# EAGLE board AU_MacroPad - 8 Panel (EAGLE 9.6.2), part 2 of 5 (continued)
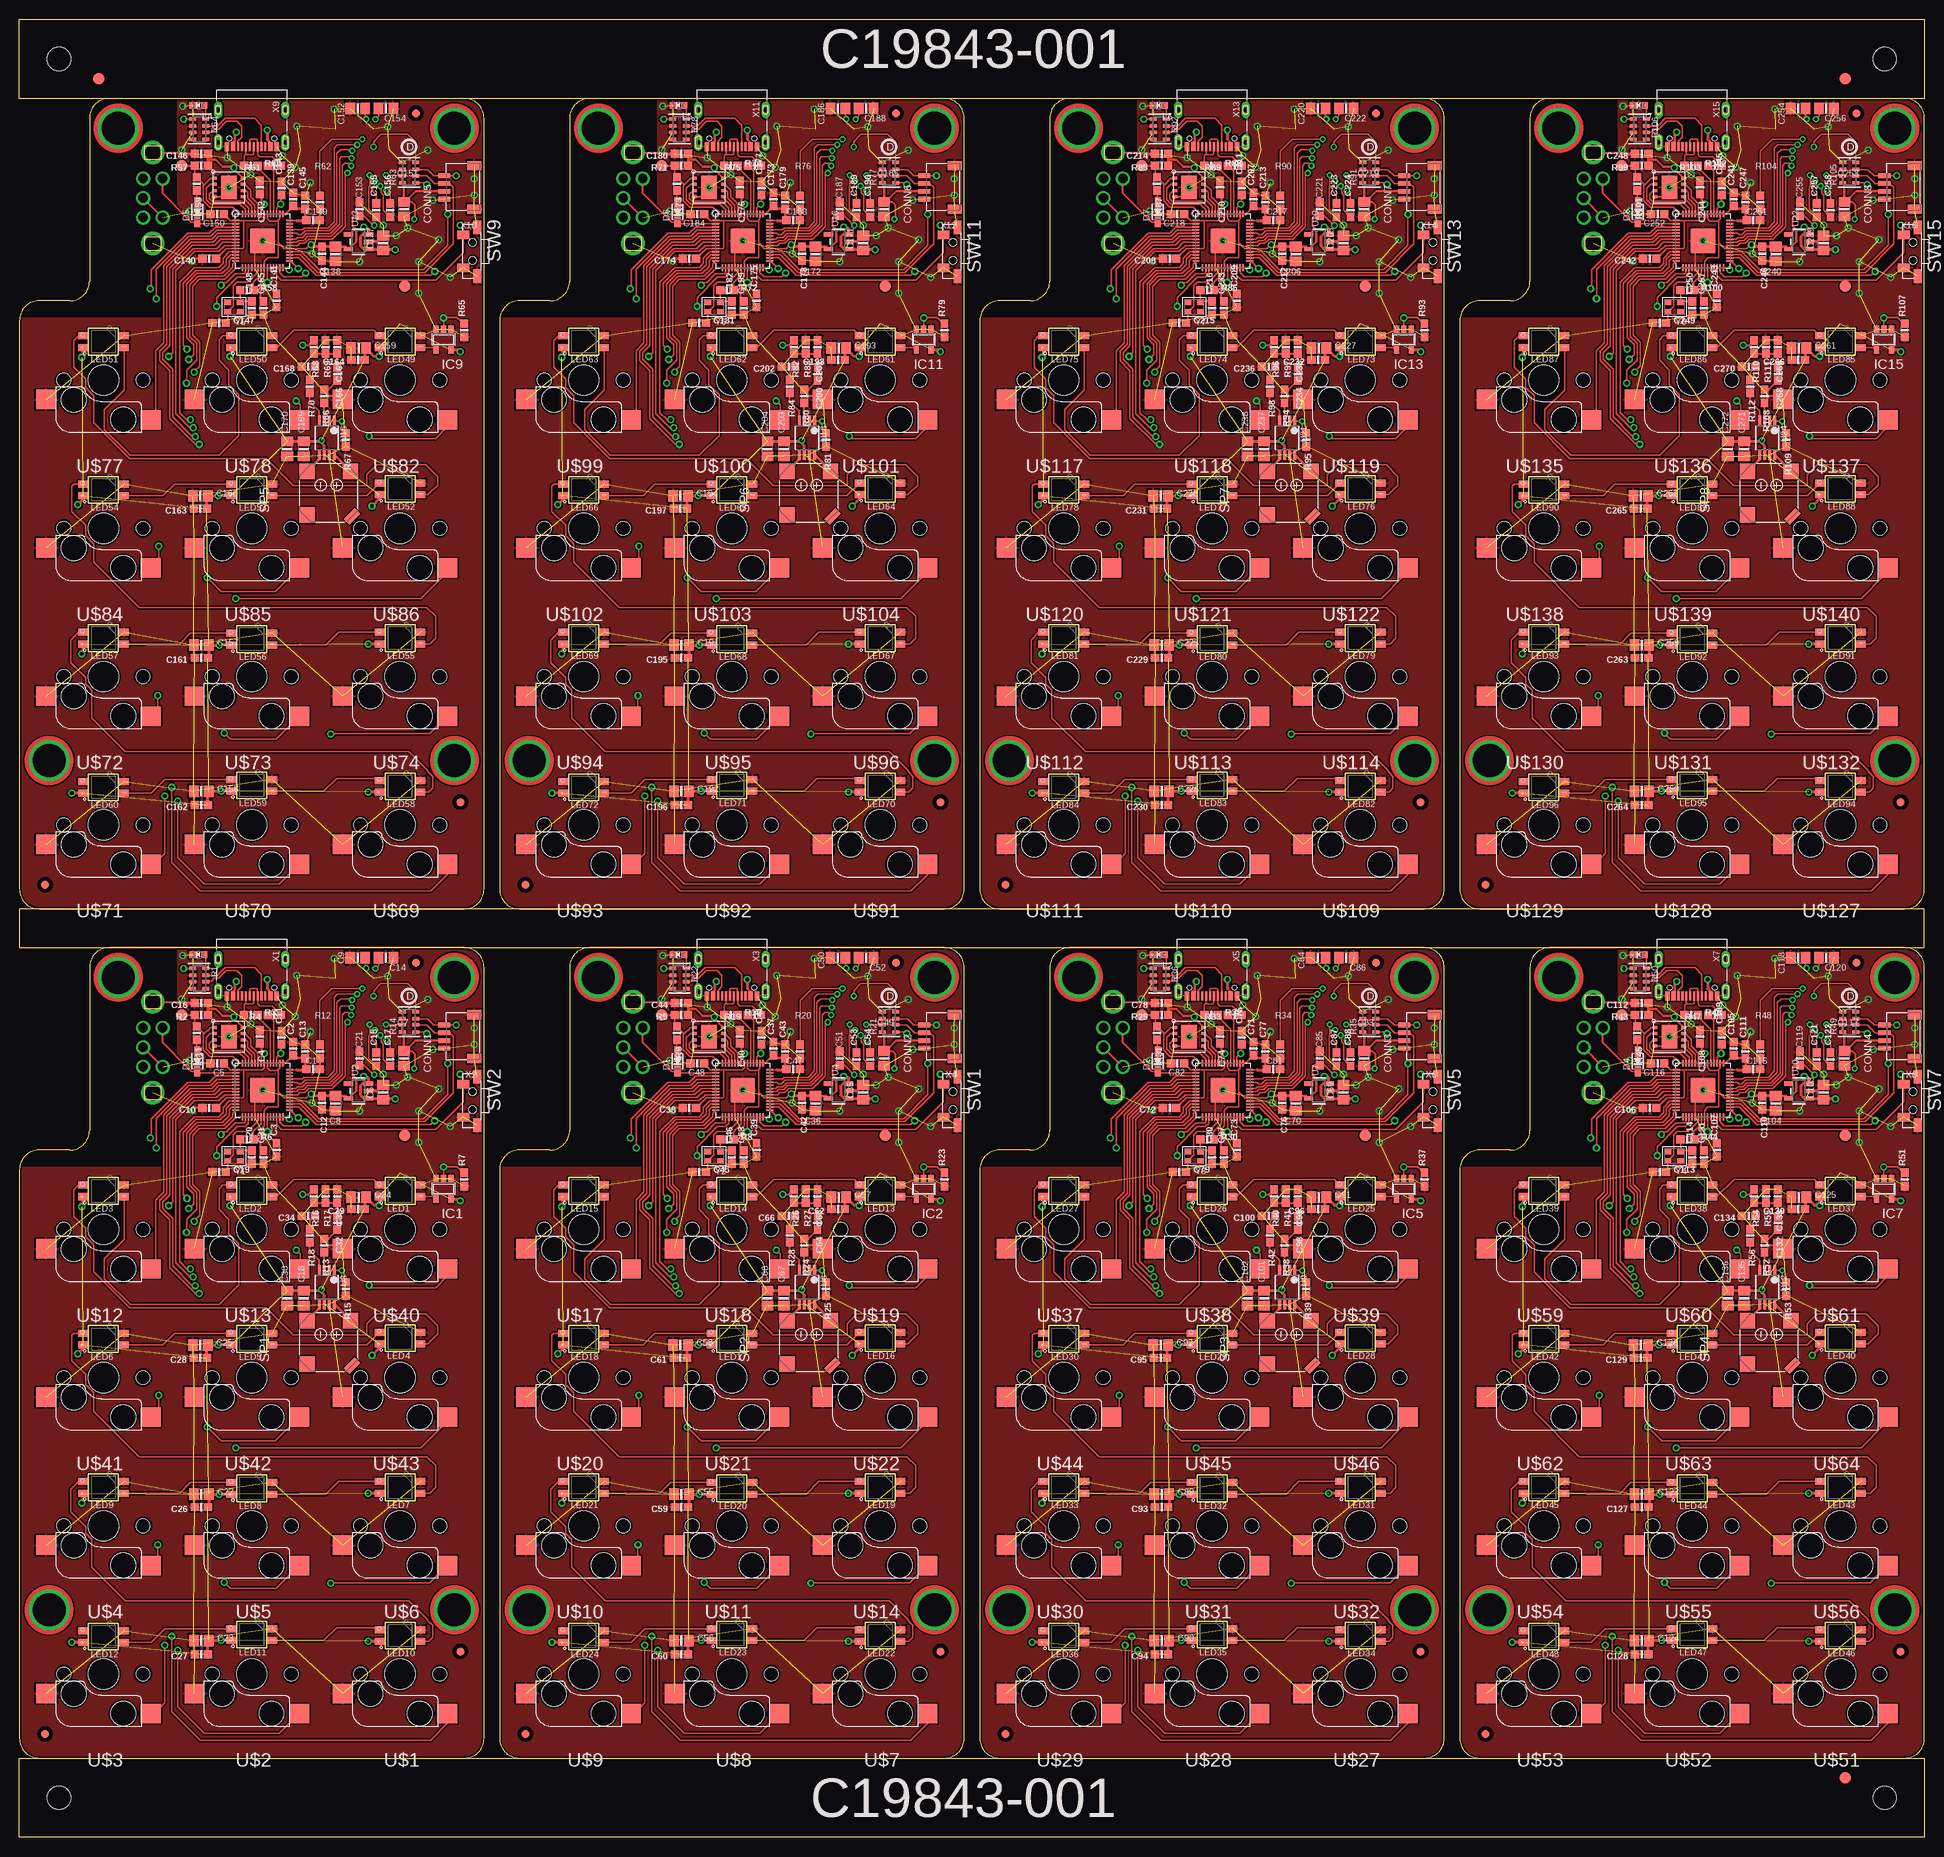
[diagram p0: board, top side]
## Tracks (layer width: path | path; a pad name or v marks a point on that pad's centre or on a via)
1.2V  (via drill 0.5)
  Top 0.203: IC3.50 31.04,101.84 C4.2 31.11,101.77 31.11,100.71 v31.47,100.71 | IC3.45 33.04,100.22 33.53,100.71 v33.55,100.71 33.55,101.15 33.66,101.26 C11.1 | C3.2 31.84,90.36 IC3.23 31.84,90.67 v31.81,90.67
  Bottom 0.203: v31.81,90.67 31.81,91.68 33.55,93.42 v33.55,100.71 v31.47,100.71
1.2V1  (via drill 0.5)
  Top 0.203: IC4.50 92.73,101.84 C40.2 92.8,101.77 92.8,100.71 v93.16,100.71 | IC4.45 94.73,100.22 95.22,100.71 v95.24,100.71 95.24,101.15 95.34,101.26 C41.1 | C39.2 93.53,90.36 IC4.23 93.53,90.67 v93.5,90.67
  Bottom 0.203: v93.5,90.67 93.5,91.68 95.24,93.42 v95.24,100.71 v93.16,100.71
1.2V2  (via drill 0.5)
  Top 0.203: IC6.50 154.42,101.84 C74.2 154.5,101.77 154.5,100.71 v154.85,100.71 | IC6.45 156.42,100.22 156.91,100.71 v156.93,100.71 156.93,101.15 157.04,101.26 C75.1 | C73.2 155.22,90.36 IC6.23 155.22,90.67 v155.19,90.67
  Bottom 0.203: v155.19,90.67 155.19,91.68 156.93,93.42 v156.93,100.71 v154.85,100.71
1.2V3  (via drill 0.5)
  Top 0.203: IC8.50 216.11,101.84 C108.2 216.18,101.77 216.18,100.71 v216.54,100.71 | IC8.45 218.11,100.22 218.6,100.71 v218.62,100.71 218.62,101.15 218.72,101.26 C109.1 | C107.2 216.91,90.36 IC8.23 216.91,90.67 v216.88,90.67
  Bottom 0.203: v216.88,90.67 216.88,91.68 218.62,93.42 v218.62,100.71 v216.54,100.71
1.2V4  (via drill 0.5)
  Top 0.203: IC10.50 31.04,210.98 C142.2 31.11,210.91 31.11,209.85 v31.47,209.85 | IC10.45 33.04,209.37 33.53,209.85 v33.55,209.85 33.55,210.29 33.66,210.4 C143.1 | C141.2 31.84,199.5 IC10.23 31.84,199.81 v31.81,199.81
  Bottom 0.203: v31.81,199.81 31.81,200.82 33.55,202.56 v33.55,209.85 v31.47,209.85
1.2V5  (via drill 0.5)
  Top 0.203: IC12.50 92.73,210.98 C176.2 92.8,210.91 92.8,209.85 v93.16,209.85 | IC12.45 94.73,209.37 95.22,209.85 v95.24,209.85 95.24,210.29 95.34,210.4 C177.1 | C175.2 93.53,199.5 IC12.23 93.53,199.81 v93.5,199.81
  Bottom 0.203: v93.5,199.81 93.5,200.82 95.24,202.56 v95.24,209.85 v93.16,209.85
1.2V6  (via drill 0.5)
  Top 0.203: IC14.50 154.42,210.98 C210.2 154.5,210.91 154.5,209.85 v154.85,209.85 | IC14.45 156.42,209.37 156.91,209.85 v156.93,209.85 156.93,210.29 157.04,210.4 C211.1 | C209.2 155.22,199.5 IC14.23 155.22,199.81 v155.19,199.81
  Bottom 0.203: v155.19,199.81 155.19,200.82 156.93,202.56 v156.93,209.85 v154.85,209.85
1.2V7  (via drill 0.5)
  Top 0.203: IC16.50 216.11,210.98 C244.2 216.18,210.91 216.18,209.85 v216.54,209.85 | IC16.45 218.11,209.37 218.6,209.85 v218.62,209.85 218.62,210.29 218.72,210.4 C245.1 | C243.2 216.91,199.5 IC16.23 216.91,199.81 v216.88,199.81
  Bottom 0.203: v216.88,199.81 216.88,200.82 218.62,202.56 v218.62,209.85 v216.54,209.85
3.3V  (via drill 0.39, 0.5)
  Top 0.203: IC3.49 31.5,99.46 | 31.5,99.46 IC3.48 31.84,98.84 32.13,98.55 33.15,98.55 33.27,98.68 | IC3.43 33.84,99.57 33.55,99.57 IC3.44 33.44,98.85 33.27,98.68 | C5.1 27.08,98.61 IC3.1 28.83,98.61 | 28.83,98.61 31.18,98.61 31.5,98.93 31.5,99.46 | 33.27,95.76 33.27,98.68 | 33.27,95.76 34.02,95.01 IC3.33 36.85,95.01 37.34,95.5 | C10.1 25.27,93.73 26.56,95.01 IC3.10 28.72,95.01 28.83,95.12 28.83,98.61 | IC3.42 35.62,98.61 | 33.27,95.76 33.27,93.85 31.88,93.85 31.44,93.42 IC3.22 31.44,91.42 30.93,90.91
  Top 0.254: C31.2 30.93,88.66 30.93,90.91 | C7.2 50.43,101.03 50.82,100.64 50.82,98.86 v50.73,98.77 | v45.58,97.98 45.3,98.26 45.22,98.26 44.25,99.23 C21.2 42.98,99.23 42.8,99.04 42.8,97.92 | v47.1,104.44 49.12,104.44 R14.7
  Top 0.305: CONN1.2 50.94,102.37 49.59,101.03 | C16.1 R2.1 24.22,106.17 24.47,106.43 25.23,106.43 26.12,105.54 27.29,105.54 27.56,105.27 | IC3.43 34.15,99.46 C2.1 35.56,100.11 C13.1 36.7,98.68 C1.1 | C8.1 41.95,95.25 U2.5 43.24,95.92 43.24,97.47 42.8,97.92 | C7.2 49.4,103.26 R14.8 R14.7 R14.6 | v37.47,95.5 37.34,95.5 | U1.8 27.56,105.27 | 27.56,105.27 v27.56,105.41
  Top 0.406: 49.59,101.03 C7.2 | C8.1 38.82,95.25 | 35.62,98.61 36.8,98.61 C1.1 | C12.1 38.82,95.25 | 38.82,95.25 37.72,95.25 v37.47,95.5
  Bottom 0.254: X2.5 40.05,109.29 40.16,109.18 40.59,109.18 | 40.59,109.18 40.84,109.18 41.05,109.38 X2.7 | v50.73,98.77 47.08,98.77 47.05,98.8 46.39,98.8 v45.58,97.98 | v47.1,104.44 46.34,105.2 44.31,105.2 43.04,103.93 41.09,103.93 40.59,104.44 40.59,109.18
  Bottom 0.305: v27.56,105.41 27.69,105.41 27.81,105.54 30.86,105.54 35.5,100.9 36.99,100.9 37.34,100.55 37.34,95.63 v37.47,95.5
3.3V1  (via drill 0.39, 0.5)
  Top 0.203: IC4.49 93.19,99.46 | 93.19,99.46 IC4.48 93.53,98.84 93.82,98.55 94.84,98.55 94.96,98.68 | IC4.43 95.53,99.57 95.24,99.57 IC4.44 95.13,98.85 94.96,98.68 | C48.1 88.77,98.61 IC4.1 90.52,98.61 | 90.52,98.61 92.86,98.61 93.19,98.93 93.19,99.46 | 94.96,95.76 94.96,98.68 | 94.96,95.76 95.71,95.01 IC4.33 98.53,95.01 99.03,95.5 | C38.1 86.96,93.73 88.25,95.01 IC4.10 90.41,95.01 90.52,95.12 90.52,98.61 | IC4.42 97.31,98.61 | 94.96,95.76 94.96,93.85 93.57,93.85 93.13,93.42 IC4.22 93.13,91.42 92.62,90.91
  Top 0.254: C63.2 92.62,88.66 92.62,90.91 | C49.2 112.12,101.03 112.51,100.64 112.51,98.86 v112.42,98.77 | v107.27,97.98 106.99,98.26 106.91,98.26 105.94,99.23 C51.2 104.67,99.23 104.49,99.04 104.49,97.92 | v108.79,104.44 110.81,104.44 R21.7
  Top 0.305: CONN2.2 112.62,102.37 111.28,101.03 | C44.1 R5.1 85.91,106.17 86.16,106.43 86.92,106.43 87.81,105.54 88.98,105.54 89.25,105.27 | IC4.43 95.83,99.46 C37.1 97.25,100.11 C43.1 98.39,98.68 C47.1 | C36.1 103.63,95.25 U4.5 104.93,95.92 104.93,97.47 104.49,97.92 | C49.2 111.09,103.26 R21.8 R21.7 R21.6 | v99.15,95.5 99.03,95.5 | U5.8 89.25,105.27 | 89.25,105.27 v89.25,105.41
  Top 0.406: 111.28,101.03 C49.2 | C36.1 100.51,95.25 | 97.31,98.61 98.49,98.61 C47.1 | C42.1 100.51,95.25 | 100.51,95.25 99.41,95.25 v99.15,95.5
  Bottom 0.254: X4.5 101.74,109.29 101.85,109.18 102.28,109.18 | 102.28,109.18 102.53,109.18 102.74,109.38 X4.7 | v112.42,98.77 108.77,98.77 108.74,98.8 108.08,98.8 v107.27,97.98 | v108.79,104.44 108.03,105.2 106,105.2 104.73,103.93 102.78,103.93 102.28,104.44 102.28,109.18
  Bottom 0.305: v89.25,105.41 89.38,105.41 89.5,105.54 92.55,105.54 97.19,100.9 98.68,100.9 99.03,100.55 99.03,95.63 v99.15,95.5
3.3V2  (via drill 0.39, 0.5)
  Top 0.203: IC6.49 154.88,99.46 | 154.88,99.46 IC6.48 155.22,98.84 155.51,98.55 156.53,98.55 156.66,98.68 | IC6.43 157.22,99.57 156.93,99.57 IC6.44 156.82,98.85 156.66,98.68 | C82.1 150.46,98.61 IC6.1 152.21,98.61 | 152.21,98.61 154.56,98.61 154.88,98.93 154.88,99.46 | 156.66,95.76 156.66,98.68 | 156.66,95.76 157.4,95.01 IC6.33 160.23,95.01 160.72,95.5 | C72.1 148.65,93.73 149.94,95.01 IC6.10 152.1,95.01 152.21,95.12 152.21,98.61 | IC6.42 159,98.61 | 156.66,95.76 156.66,93.85 155.26,93.85 154.82,93.42 IC6.22 154.82,91.42 154.31,90.91
  Top 0.254: C97.2 154.31,88.66 154.31,90.91 | C83.2 173.81,101.03 174.2,100.64 174.2,98.86 v174.11,98.77 | v168.96,97.98 168.68,98.26 168.6,98.26 167.63,99.23 C85.2 166.36,99.23 166.18,99.04 166.18,97.92 | v170.48,104.44 172.5,104.44 R35.7
  Top 0.305: CONN3.2 174.31,102.37 172.97,101.03 | C78.1 R29.1 147.6,106.17 147.85,106.43 148.61,106.43 149.5,105.54 150.68,105.54 150.94,105.27 | IC6.43 157.53,99.46 C71.1 158.94,100.11 C77.1 160.08,98.68 C81.1 | C70.1 165.32,95.25 U7.5 166.62,95.92 166.62,97.47 166.18,97.92 | C83.2 172.78,103.26 R35.8 R35.7 R35.6 | v160.84,95.5 160.72,95.5 | U8.8 150.94,105.27 | 150.94,105.27 v150.94,105.41
  Top 0.406: 172.97,101.03 C83.2 | C70.1 162.2,95.25 | 159,98.61 160.18,98.61 C81.1 | C76.1 162.2,95.25 | 162.2,95.25 161.1,95.25 v160.84,95.5
  Bottom 0.254: X6.5 163.43,109.29 163.54,109.18 163.97,109.18 | 163.97,109.18 164.22,109.18 164.43,109.38 X6.7 | v174.11,98.77 170.46,98.77 170.43,98.8 169.78,98.8 v168.96,97.98 | v170.48,104.44 169.72,105.2 167.69,105.2 166.42,103.93 164.47,103.93 163.97,104.44 163.97,109.18
  Bottom 0.305: v150.94,105.41 151.07,105.41 151.19,105.54 154.24,105.54 158.88,100.9 160.37,100.9 160.72,100.55 160.72,95.63 v160.84,95.5
3.3V3  (via drill 0.39, 0.5)
  Top 0.203: IC8.49 216.56,99.46 | 216.56,99.46 IC8.48 216.91,98.84 217.2,98.55 218.22,98.55 218.34,98.68 | IC8.43 218.91,99.57 218.62,99.57 IC8.44 218.51,98.85 218.34,98.68 | C116.1 212.15,98.61 IC8.1 213.9,98.61 | 213.9,98.61 216.24,98.61 216.56,98.93 216.56,99.46 | 218.34,95.76 218.34,98.68 | 218.34,95.76 219.09,95.01 IC8.33 221.91,95.01 222.41,95.5 | C106.1 210.34,93.73 211.63,95.01 IC8.10 213.79,95.01 213.9,95.12 213.9,98.61 | IC8.42 220.69,98.61 | 218.34,95.76 218.34,93.85 216.95,93.85 216.51,93.42 IC8.22 216.51,91.42 216,90.91
  Top 0.254: C131.2 216,88.66 216,90.91 | C117.2 235.5,101.03 235.89,100.64 235.89,98.86 v235.8,98.77 | v230.65,97.98 230.37,98.26 230.29,98.26 229.32,99.23 C119.2 228.05,99.23 227.87,99.04 227.87,97.92 | v232.17,104.44 234.19,104.44 R49.7
  Top 0.305: CONN4.2 236,102.37 234.66,101.03 | C112.1 R43.1 209.29,106.17 209.54,106.43 210.3,106.43 211.19,105.54 212.36,105.54 212.63,105.27 | IC8.43 219.21,99.46 C105.1 220.63,100.11 C111.1 221.77,98.68 C115.1 | C104.1 227.01,95.25 U10.5 228.31,95.92 228.31,97.47 227.87,97.92 | C117.2 234.47,103.26 R49.8 R49.7 R49.6 | v222.53,95.5 222.41,95.5 | U11.8 212.63,105.27 | 212.63,105.27 v212.63,105.41
  Top 0.406: 234.66,101.03 C117.2 | C104.1 223.89,95.25 | 220.69,98.61 221.87,98.61 C115.1 | C110.1 223.89,95.25 | 223.89,95.25 222.79,95.25 v222.53,95.5
  Bottom 0.254: X8.5 225.12,109.29 225.23,109.18 225.66,109.18 | 225.66,109.18 225.91,109.18 226.12,109.38 X8.7 | v235.8,98.77 232.15,98.77 232.12,98.8 231.46,98.8 v230.65,97.98 | v232.17,104.44 231.41,105.2 229.38,105.2 228.11,103.93 226.16,103.93 225.66,104.44 225.66,109.18
  Bottom 0.305: v212.63,105.41 212.75,105.41 212.88,105.54 215.93,105.54 220.57,100.9 222.06,100.9 222.41,100.55 222.41,95.63 v222.53,95.5
3.3V4  (via drill 0.39, 0.5)
  Top 0.203: IC10.49 31.5,208.6 | 31.5,208.6 IC10.48 31.84,207.98 32.13,207.69 33.15,207.69 33.27,207.82 | IC10.43 33.84,208.71 33.55,208.71 IC10.44 33.44,207.99 33.27,207.82 | C150.1 27.08,207.75 IC10.1 28.83,207.75 | 28.83,207.75 31.18,207.75 31.5,208.07 31.5,208.6 | 33.27,204.9 33.27,207.82 | 33.27,204.9 34.02,204.15 IC10.33 36.85,204.15 37.34,204.65 | C140.1 25.27,202.87 26.56,204.15 IC10.10 28.72,204.15 28.83,204.26 28.83,207.75 | IC10.42 35.62,207.75 | 33.27,204.9 33.27,202.99 31.88,202.99 31.44,202.56 IC10.22 31.44,200.56 30.93,200.05
  Top 0.254: C165.2 30.93,197.8 30.93,200.05 | C151.2 50.43,210.17 50.82,209.78 50.82,208 v50.73,207.92 | v45.58,207.12 45.3,207.4 45.22,207.4 44.25,208.37 C153.2 42.98,208.37 42.8,208.18 42.8,207.06 | v47.1,213.58 49.12,213.58 R63.7
  Top 0.305: CONN5.2 50.94,211.51 49.59,210.17 | C146.1 R57.1 24.22,215.31 24.47,215.57 25.23,215.57 26.12,214.68 27.29,214.68 27.56,214.41 | IC10.43 34.15,208.6 C139.1 35.56,209.26 C145.1 36.7,207.82 C149.1 | C138.1 41.95,204.39 U13.5 43.24,205.06 43.24,206.61 42.8,207.06 | C151.2 49.4,212.4 R63.8 R63.7 R63.6 | v37.47,204.65 37.34,204.65 | U14.8 27.56,214.41 | 27.56,214.41 v27.56,214.55
  Top 0.406: 49.59,210.17 C151.2 | C138.1 38.82,204.39 | 35.62,207.75 36.8,207.75 C149.1 | C144.1 38.82,204.39 | 38.82,204.39 37.72,204.39 v37.47,204.65
  Bottom 0.254: X10.5 40.05,218.43 40.16,218.32 40.59,218.32 | 40.59,218.32 40.84,218.32 41.05,218.53 X10.7 | v50.73,207.92 47.08,207.92 47.05,207.94 46.39,207.94 v45.58,207.12 | v47.1,213.58 46.34,214.34 44.31,214.34 43.04,213.07 41.09,213.07 40.59,213.58 40.59,218.32
  Bottom 0.305: v27.56,214.55 27.69,214.55 27.81,214.68 30.86,214.68 35.5,210.04 36.99,210.04 37.34,209.69 37.34,204.77 v37.47,204.65
3.3V5  (via drill 0.39, 0.5)
  Top 0.203: IC12.49 93.19,208.6 | 93.19,208.6 IC12.48 93.53,207.98 93.82,207.69 94.84,207.69 94.96,207.82 | IC12.43 95.53,208.71 95.24,208.71 IC12.44 95.13,207.99 94.96,207.82 | C184.1 88.77,207.75 IC12.1 90.52,207.75 | 90.52,207.75 92.86,207.75 93.19,208.07 93.19,208.6 | 94.96,204.9 94.96,207.82 | 94.96,204.9 95.71,204.15 IC12.33 98.53,204.15 99.03,204.65 | C174.1 86.96,202.87 88.25,204.15 IC12.10 90.41,204.15 90.52,204.26 90.52,207.75 | IC12.42 97.31,207.75 | 94.96,204.9 94.96,202.99 93.57,202.99 93.13,202.56 IC12.22 93.13,200.56 92.62,200.05
  Top 0.254: C199.2 92.62,197.8 92.62,200.05 | C185.2 112.12,210.17 112.51,209.78 112.51,208 v112.42,207.92 | v107.27,207.12 106.99,207.4 106.91,207.4 105.94,208.37 C187.2 104.67,208.37 104.49,208.18 104.49,207.06 | v108.79,213.58 110.81,213.58 R77.7
  Top 0.305: CONN6.2 112.62,211.51 111.28,210.17 | C180.1 R71.1 85.91,215.31 86.16,215.57 86.92,215.57 87.81,214.68 88.98,214.68 89.25,214.41 | IC12.43 95.83,208.6 C173.1 97.25,209.26 C179.1 98.39,207.82 C183.1 | C172.1 103.63,204.39 U16.5 104.93,205.06 104.93,206.61 104.49,207.06 | C185.2 111.09,212.4 R77.8 R77.7 R77.6 | v99.15,204.65 99.03,204.65 | U17.8 89.25,214.41 | 89.25,214.41 v89.25,214.55
  Top 0.406: 111.28,210.17 C185.2 | C172.1 100.51,204.39 | 97.31,207.75 98.49,207.75 C183.1 | C178.1 100.51,204.39 | 100.51,204.39 99.41,204.39 v99.15,204.65
  Bottom 0.254: X12.5 101.74,218.43 101.85,218.32 102.28,218.32 | 102.28,218.32 102.53,218.32 102.74,218.53 X12.7 | v112.42,207.92 108.77,207.92 108.74,207.94 108.08,207.94 v107.27,207.12 | v108.79,213.58 108.03,214.34 106,214.34 104.73,213.07 102.78,213.07 102.28,213.58 102.28,218.32
  Bottom 0.305: v89.25,214.55 89.38,214.55 89.5,214.68 92.55,214.68 97.19,210.04 98.68,210.04 99.03,209.69 99.03,204.77 v99.15,204.65
3.3V6  (via drill 0.39, 0.5)
  Top 0.203: IC14.49 154.88,208.6 | 154.88,208.6 IC14.48 155.22,207.98 155.51,207.69 156.53,207.69 156.66,207.82 | IC14.43 157.22,208.71 156.93,208.71 IC14.44 156.82,207.99 156.66,207.82 | C218.1 150.46,207.75 IC14.1 152.21,207.75 | 152.21,207.75 154.56,207.75 154.88,208.07 154.88,208.6 | 156.66,204.9 156.66,207.82 | 156.66,204.9 157.4,204.15 IC14.33 160.23,204.15 160.72,204.65 | C208.1 148.65,202.87 149.94,204.15 IC14.10 152.1,204.15 152.21,204.26 152.21,207.75 | IC14.42 159,207.75 | 156.66,204.9 156.66,202.99 155.26,202.99 154.82,202.56 IC14.22 154.82,200.56 154.31,200.05
  Top 0.254: C233.2 154.31,197.8 154.31,200.05 | C219.2 173.81,210.17 174.2,209.78 174.2,208 v174.11,207.92 | v168.96,207.12 168.68,207.4 168.6,207.4 167.63,208.37 C221.2 166.36,208.37 166.18,208.18 166.18,207.06 | v170.48,213.58 172.5,213.58 R91.7
  Top 0.305: CONN7.2 174.31,211.51 172.97,210.17 | C214.1 R85.1 147.6,215.31 147.85,215.57 148.61,215.57 149.5,214.68 150.68,214.68 150.94,214.41 | IC14.43 157.53,208.6 C207.1 158.94,209.26 C213.1 160.08,207.82 C217.1 | C206.1 165.32,204.39 U19.5 166.62,205.06 166.62,206.61 166.18,207.06 | C219.2 172.78,212.4 R91.8 R91.7 R91.6 | v160.84,204.65 160.72,204.65 | U20.8 150.94,214.41 | 150.94,214.41 v150.94,214.55
  Top 0.406: 172.97,210.17 C219.2 | C206.1 162.2,204.39 | 159,207.75 160.18,207.75 C217.1 | C212.1 162.2,204.39 | 162.2,204.39 161.1,204.39 v160.84,204.65
  Bottom 0.254: X14.5 163.43,218.43 163.54,218.32 163.97,218.32 | 163.97,218.32 164.22,218.32 164.43,218.53 X14.7 | v174.11,207.92 170.46,207.92 170.43,207.94 169.78,207.94 v168.96,207.12 | v170.48,213.58 169.72,214.34 167.69,214.34 166.42,213.07 164.47,213.07 163.97,213.58 163.97,218.32
  Bottom 0.305: v150.94,214.55 151.07,214.55 151.19,214.68 154.24,214.68 158.88,210.04 160.37,210.04 160.72,209.69 160.72,204.77 v160.84,204.65
3.3V7  (via drill 0.39, 0.5)
  Top 0.203: IC16.49 216.56,208.6 | 216.56,208.6 IC16.48 216.91,207.98 217.2,207.69 218.22,207.69 218.34,207.82 | IC16.43 218.91,208.71 218.62,208.71 IC16.44 218.51,207.99 218.34,207.82 | C252.1 212.15,207.75 IC16.1 213.9,207.75 | 213.9,207.75 216.24,207.75 216.56,208.07 216.56,208.6 | 218.34,204.9 218.34,207.82 | 218.34,204.9 219.09,204.15 IC16.33 221.91,204.15 222.41,204.65 | C242.1 210.34,202.87 211.63,204.15 IC16.10 213.79,204.15 213.9,204.26 213.9,207.75 | IC16.42 220.69,207.75 | 218.34,204.9 218.34,202.99 216.95,202.99 216.51,202.56 IC16.22 216.51,200.56 216,200.05
  Top 0.254: C267.2 216,197.8 216,200.05 | C253.2 235.5,210.17 235.89,209.78 235.89,208 v235.8,207.92 | v230.65,207.12 230.37,207.4 230.29,207.4 229.32,208.37 C255.2 228.05,208.37 227.87,208.18 227.87,207.06 | v232.17,213.58 234.19,213.58 R105.7
  Top 0.305: CONN8.2 236,211.51 234.66,210.17 | C248.1 R99.1 209.29,215.31 209.54,215.57 210.3,215.57 211.19,214.68 212.36,214.68 212.63,214.41 | IC16.43 219.21,208.6 C241.1 220.63,209.26 C247.1 221.77,207.82 C251.1 | C240.1 227.01,204.39 U22.5 228.31,205.06 228.31,206.61 227.87,207.06 | C253.2 234.47,212.4 R105.8 R105.7 R105.6 | v222.53,204.65 222.41,204.65 | U23.8 212.63,214.41 | 212.63,214.41 v212.63,214.55
  Top 0.406: 234.66,210.17 C253.2 | C240.1 223.89,204.39 | 220.69,207.75 221.87,207.75 C251.1 | C246.1 223.89,204.39 | 223.89,204.39 222.79,204.39 v222.53,204.65
  Bottom 0.254: X16.5 225.12,218.43 225.23,218.32 225.66,218.32 | 225.66,218.32 225.91,218.32 226.12,218.53 X16.7 | v235.8,207.92 232.15,207.92 232.12,207.94 231.46,207.94 v230.65,207.12 | v232.17,213.58 231.41,214.34 229.38,214.34 228.11,213.07 226.16,213.07 225.66,213.58 225.66,218.32
  Bottom 0.305: v212.63,214.55 212.75,214.55 212.88,214.68 215.93,214.68 220.57,210.04 222.06,210.04 222.41,209.69 222.41,204.77 v222.53,204.65
5.0V  (via drill 0.48, 0.5)  (14 unrouted)
  Top 0.305: X1.B4A9 27.45,108.69 27.64,108.88 27.64,109.77 | X1.A4B9 32.24,108.64 31.83,109.06
  Top 0.406: 27.64,109.77 v27.84,109.98 | v31.83,110.24 31.83,109.06 | LED3.1-VDD 8.14,81.17 v8,81.03 | LED2.1-VDD 27.2,81.3 v27.05,81.15 | LED1.1-VDD 46.24,81.17 v46.23,81.15 45.59,81.15 C24.2 44.35,82.07 C29.1 | LED4.1-VDD 46.24,62.89 v45.3,61.94 | LED5.1-VDD v25.54,63.26 | v25.54,63.26 v25.53,63.25 | LED6.1-VDD 8.14,62.75 v7.49,62.1 | LED9.1-VDD 8.14,43.07 v8,42.93 | LED8.1-VDD 25.67,44.08 v25.65,44.07 C22.2 24.32,42.52 C26.1 | LED7.1-VDD 44.84,44.21 v44.83,44.2 | LED10.1-VDD 44.84,25.16 v44.83,25.15 | LED11.1-VDD 27.18,25.27 v25.91,25.27 C23.2 24.22,25.17 C27.1 | LED12.1-VDD 6.74,25.03 v6.73,25.02 | v56.64,81.79 56.42,82.01 IC1.5 | v48.26,94.87 46.83,94.87 C6.1 46.57,94.94 U2.1 44.26,94.94 43.81,95.38 43.81,96.52 44.13,96.83 U2.3 44.86,97.51 44.62,97.75 v44.24,97.75 | v25.54,63.26 24.2,63.26 C25.2 24.09,63.15 C28.1 | U3.6 39.16,69.67 38.81,70.03 v38.81,70.36 38.66,70.22 C18.2 | C18.2 | C18.2 C30.2
  Bottom 0.406: v27.84,109.98 28.1,110.24 29.97,110.24 | 29.97,110.24 v31.83,110.24 | v48.26,94.87 48.9,94.87 48.9,85.34 | v44.24,97.75 40.9,97.75 29.97,108.67 29.97,110.24
  pour Bottom: 0,10.16 59.69,10.16 59.69,85.72 0,85.72
5.0V1  (via drill 0.48, 0.5)  (14 unrouted)
  Top 0.305: X3.B4A9 89.13,108.69 89.33,108.88 89.33,109.77 | X3.A4B9 93.93,108.64 93.52,109.06
  Top 0.406: 89.33,109.77 v89.53,109.98 | v93.52,110.24 93.52,109.06 | LED15.1-VDD 69.83,81.17 v69.69,81.03 | LED14.1-VDD 88.88,81.3 v88.74,81.15 | LED13.1-VDD 107.93,81.17 v107.92,81.15 107.28,81.15 C57.2 106.04,82.07 C62.1 | LED16.1-VDD 107.93,62.89 v106.98,61.94 | LED17.1-VDD v87.23,63.26 | v87.23,63.26 v87.22,63.25 | LED18.1-VDD 69.83,62.75 v69.18,62.1 | LED21.1-VDD 69.83,43.07 v69.69,42.93 | LED20.1-VDD 87.36,44.08 v87.34,44.07 C55.2 86.01,42.52 C59.1 | LED19.1-VDD 106.53,44.21 v106.52,44.2 | LED22.1-VDD 106.53,25.16 v106.52,25.15 | LED23.1-VDD v87.6,25.27 C56.2 85.91,25.17 C60.1 | LED24.1-VDD 68.43,25.03 v68.42,25.02 | v118.33,81.79 118.11,82.01 IC2.5 | v109.95,94.87 108.52,94.87 C35.1 108.26,94.94 U4.1 105.95,94.94 105.5,95.38 105.5,96.52 105.82,96.83 U4.3 106.55,97.51 106.31,97.75 v105.93,97.75 | v87.23,63.26 85.89,63.26 C58.2 85.78,63.15 C61.1 | U6.6 100.85,69.67 100.5,70.03 v100.5,70.36 100.35,70.22 C67.2 | C67.2 | C67.2 C68.2
  Bottom 0.406: v89.53,109.98 89.78,110.24 91.66,110.24 | 91.66,110.24 v93.52,110.24 | v109.95,94.87 110.58,94.87 110.58,85.34 | v105.93,97.75 102.59,97.75 91.66,108.67 91.66,110.24
  pour Bottom: 61.69,10.16 121.38,10.16 121.38,85.72 61.69,85.72
5.0V2  (via drill 0.48, 0.5)  (14 unrouted)
  Top 0.305: X5.B4A9 150.83,108.69 151.02,108.88 151.02,109.77 | X5.A4B9 155.62,108.64 155.21,109.06
  Top 0.406: 151.02,109.77 v151.22,109.98 | v155.21,110.24 155.21,109.06 | LED27.1-VDD 131.53,81.17 v131.38,81.03 | LED26.1-VDD 150.58,81.3 v150.43,81.15 | LED25.1-VDD 169.62,81.17 v169.61,81.15 168.97,81.15 C91.2 167.73,82.07 C96.1 | LED28.1-VDD 169.62,62.89 v168.68,61.94 | LED29.1-VDD v148.92,63.26 | v148.92,63.26 v148.91,63.25 | LED30.1-VDD 131.53,62.75 v130.87,62.1 | LED33.1-VDD 131.53,43.07 v131.38,42.93 | LED32.1-VDD 149.05,44.08 v149.03,44.07 C89.2 147.7,42.52 C93.1 | LED31.1-VDD 168.22,44.21 v168.21,44.2 | LED34.1-VDD 168.22,25.16 v168.21,25.15 | LED35.1-VDD 150.56,25.27 v149.29,25.27 C90.2 147.6,25.17 C94.1 | LED36.1-VDD 130.12,25.03 v130.11,25.02 | v180.02,81.79 179.8,82.01 IC5.5 | v171.64,94.87 170.21,94.87 C69.1 169.95,94.94 U7.1 167.64,94.94 167.2,95.38 167.2,96.52 167.51,96.83 U7.3 168.24,97.51 168,97.75 v167.62,97.75 | v148.92,63.26 147.58,63.26 C92.2 147.47,63.15 C95.1 | U9.6 162.54,69.67 162.19,70.03 v162.19,70.36 162.04,70.22 C101.2 | C101.2 | C101.2 C102.2
  Bottom 0.406: v151.22,109.98 151.48,110.24 153.35,110.24 | 153.35,110.24 v155.21,110.24 | v171.64,94.87 172.28,94.87 172.28,85.34 | v167.62,97.75 164.28,97.75 153.35,108.67 153.35,110.24
  pour Bottom: 123.38,10.16 183.07,10.16 183.07,85.72 123.38,85.72
5.0V3  (via drill 0.48, 0.5)  (14 unrouted)
  Top 0.305: X7.B4A9 212.51,108.69 212.71,108.88 212.71,109.77 | X7.A4B9 217.31,108.64 216.9,109.06
  Top 0.406: 212.71,109.77 v212.91,109.98 | v216.9,110.24 216.9,109.06 | LED39.1-VDD 193.21,81.17 v193.07,81.03 | LED38.1-VDD 212.26,81.3 v212.12,81.15 | LED37.1-VDD 231.31,81.17 v231.3,81.15 230.66,81.15 C125.2 229.42,82.07 C130.1 | LED40.1-VDD 231.31,62.89 v230.37,61.94 | LED41.1-VDD v210.61,63.26 | v210.61,63.26 v210.6,63.25 | LED42.1-VDD 193.21,62.75 v192.56,62.1 | LED45.1-VDD 193.21,43.07 v193.07,42.93 | LED44.1-VDD 210.74,44.08 v210.72,44.07 C123.2 209.39,42.52 C127.1 | LED43.1-VDD 229.91,44.21 v229.9,44.2 | LED46.1-VDD 229.91,25.16 v229.9,25.15 | LED47.1-VDD v210.98,25.27 C124.2 209.29,25.17 C128.1 | LED48.1-VDD 191.81,25.03 v191.8,25.02 | v241.71,81.79 241.49,82.01 IC7.5 | v233.33,94.87 231.9,94.87 C103.1 231.64,94.94 U10.1 229.33,94.94 228.88,95.38 228.88,96.52 229.2,96.83 U10.3 229.93,97.51 229.69,97.75 v229.31,97.75 | v210.61,63.26 209.27,63.26 C126.2 209.16,63.15 C129.1 | U12.6 224.23,69.67 223.88,70.03 v223.88,70.36 223.73,70.22 C135.2 | C135.2 | C135.2 C136.2
  Bottom 0.406: v212.91,109.98 213.17,110.24 215.04,110.24 | 215.04,110.24 v216.9,110.24 | v233.33,94.87 233.96,94.87 233.96,85.34 | v229.31,97.75 225.97,97.75 215.04,108.67 215.04,110.24
  pour Bottom: 185.07,10.16 244.76,10.16 244.76,85.72 185.07,85.72
5.0V4  (via drill 0.48, 0.5)  (14 unrouted)
  Top 0.305: X9.B4A9 27.45,217.83 27.64,218.02 27.64,218.92 | X9.A4B9 32.24,217.78 31.83,218.2
  Top 0.406: 27.64,218.92 v27.84,219.12 | v31.83,219.38 31.83,218.2 | LED51.1-VDD 8.14,190.31 v8,190.17 | LED50.1-VDD 27.2,190.44 v27.05,190.29 | LED49.1-VDD 46.24,190.31 v46.23,190.29 45.59,190.29 C159.2 44.35,191.21 C164.1 | LED52.1-VDD 46.24,172.03 v45.3,171.08 | LED53.1-VDD v25.54,172.4 | v25.54,172.4 v25.53,172.39 | LED54.1-VDD 8.14,171.9 v7.49,171.24 | LED57.1-VDD 8.14,152.21 v8,152.07 | LED56.1-VDD 25.67,153.22 v25.65,153.21 C157.2 24.32,151.66 C161.1 | LED55.1-VDD 44.84,153.35 v44.83,153.34 | LED58.1-VDD 44.84,134.3 v44.83,134.29 | LED59.1-VDD 27.18,134.41 v25.91,134.41 C158.2 24.22,134.31 C162.1 | LED60.1-VDD 6.74,134.17 v6.73,134.16 | v56.64,190.93 56.42,191.15 IC9.5 | v48.26,204.01 46.83,204.01 C137.1 46.57,204.08 U13.1 44.26,204.08 43.81,204.52 43.81,205.66 44.13,205.98 U13.3 44.86,206.65 44.62,206.89 v44.24,206.89 | v25.54,172.4 24.2,172.4 C160.2 24.09,172.29 C163.1 | U15.6 39.16,178.82 38.81,179.17 v38.81,179.51 38.66,179.36 C169.2 | C169.2 | C169.2 C170.2
  Bottom 0.406: v27.84,219.12 28.1,219.38 29.97,219.38 | 29.97,219.38 v31.83,219.38 | v48.26,204.01 48.9,204.01 48.9,194.48 | v44.24,206.89 40.9,206.89 29.97,217.81 29.97,219.38
  pour Bottom: 0,119.3 59.69,119.3 59.69,194.87 0,194.87
5.0V5  (via drill 0.48, 0.5)  (14 unrouted)
  Top 0.305: X11.B4A9 89.13,217.83 89.33,218.02 89.33,218.92 | X11.A4B9 93.93,217.78 93.52,218.2
  Top 0.406: 89.33,218.92 v89.53,219.12 | v93.52,219.38 93.52,218.2 | LED63.1-VDD 69.83,190.31 v69.69,190.17 | LED62.1-VDD 88.88,190.44 v88.74,190.29 | LED61.1-VDD 107.93,190.31 v107.92,190.29 107.28,190.29 C193.2 106.04,191.21 C198.1 | LED64.1-VDD 107.93,172.03 v106.98,171.08 | LED65.1-VDD v87.23,172.4 | v87.23,172.4 v87.22,172.39 | LED66.1-VDD 69.83,171.9 v69.18,171.24 | LED69.1-VDD 69.83,152.21 v69.69,152.07 | LED68.1-VDD 87.36,153.22 v87.34,153.21 C191.2 86.01,151.66 C195.1 | LED67.1-VDD 106.53,153.35 v106.52,153.34 | LED70.1-VDD 106.53,134.3 v106.52,134.29 | LED71.1-VDD 88.87,134.41 v87.6,134.41 C192.2 85.91,134.31 C196.1 | LED72.1-VDD 68.43,134.17 v68.42,134.16 | v118.33,190.93 118.11,191.15 IC11.5 | v109.95,204.01 108.52,204.01 C171.1 108.26,204.08 U16.1 105.95,204.08 105.5,204.52 105.5,205.66 105.82,205.98 U16.3 106.55,206.65 106.31,206.89 v105.93,206.89 | v87.23,172.4 85.89,172.4 C194.2 85.78,172.29 C197.1 | U18.6 100.85,178.82 100.5,179.17 v100.5,179.51 100.35,179.36 C203.2 | C203.2 | C203.2 C204.2
  Bottom 0.406: v89.53,219.12 89.78,219.38 91.66,219.38 | 91.66,219.38 v93.52,219.38 | v109.95,204.01 110.58,204.01 110.58,194.48 | v105.93,206.89 102.59,206.89 91.66,217.81 91.66,219.38
  pour Bottom: 61.69,119.3 121.38,119.3 121.38,194.87 61.69,194.87
5.0V6  (via drill 0.48, 0.5)  (14 unrouted)
  Top 0.305: X13.B4A9 150.83,217.83 151.02,218.02 151.02,218.92 | X13.A4B9 155.62,217.78 155.21,218.2
  Top 0.406: 151.02,218.92 v151.22,219.12 | v155.21,219.38 155.21,218.2 | LED75.1-VDD 131.53,190.31 v131.38,190.17 | LED74.1-VDD 150.58,190.44 v150.43,190.29 | LED73.1-VDD 169.62,190.31 v169.61,190.29 168.97,190.29 C227.2 167.73,191.21 C232.1 | LED76.1-VDD 169.62,172.03 v168.68,171.08 | LED77.1-VDD v148.92,172.4 | v148.92,172.4 v148.91,172.39 | LED78.1-VDD 131.53,171.9 v130.87,171.24 | LED81.1-VDD 131.53,152.21 v131.38,152.07 | LED80.1-VDD 149.05,153.22 v149.03,153.21 C225.2 147.7,151.66 C229.1 | LED79.1-VDD 168.22,153.35 v168.21,153.34 | LED82.1-VDD 168.22,134.3 v168.21,134.29 | LED83.1-VDD 150.56,134.41 v149.29,134.41 C226.2 147.6,134.31 C230.1 | LED84.1-VDD 130.12,134.17 v130.11,134.16 | v180.02,190.93 179.8,191.15 IC13.5 | v171.64,204.01 170.21,204.01 C205.1 169.95,204.08 U19.1 167.64,204.08 167.2,204.52 167.2,205.66 167.51,205.98 U19.3 168.24,206.65 168,206.89 v167.62,206.89 | v148.92,172.4 147.58,172.4 C228.2 147.47,172.29 C231.1 | U21.6 162.54,178.82 162.19,179.17 v162.19,179.51 162.04,179.36 C237.2 | C237.2 | C237.2 C238.2
  Bottom 0.406: v151.22,219.12 151.48,219.38 153.35,219.38 | 153.35,219.38 v155.21,219.38 | v171.64,204.01 172.28,204.01 172.28,194.48 | v167.62,206.89 164.28,206.89 153.35,217.81 153.35,219.38